# KiCad board ENV_KB_RGB.kicad_pcb (continued)
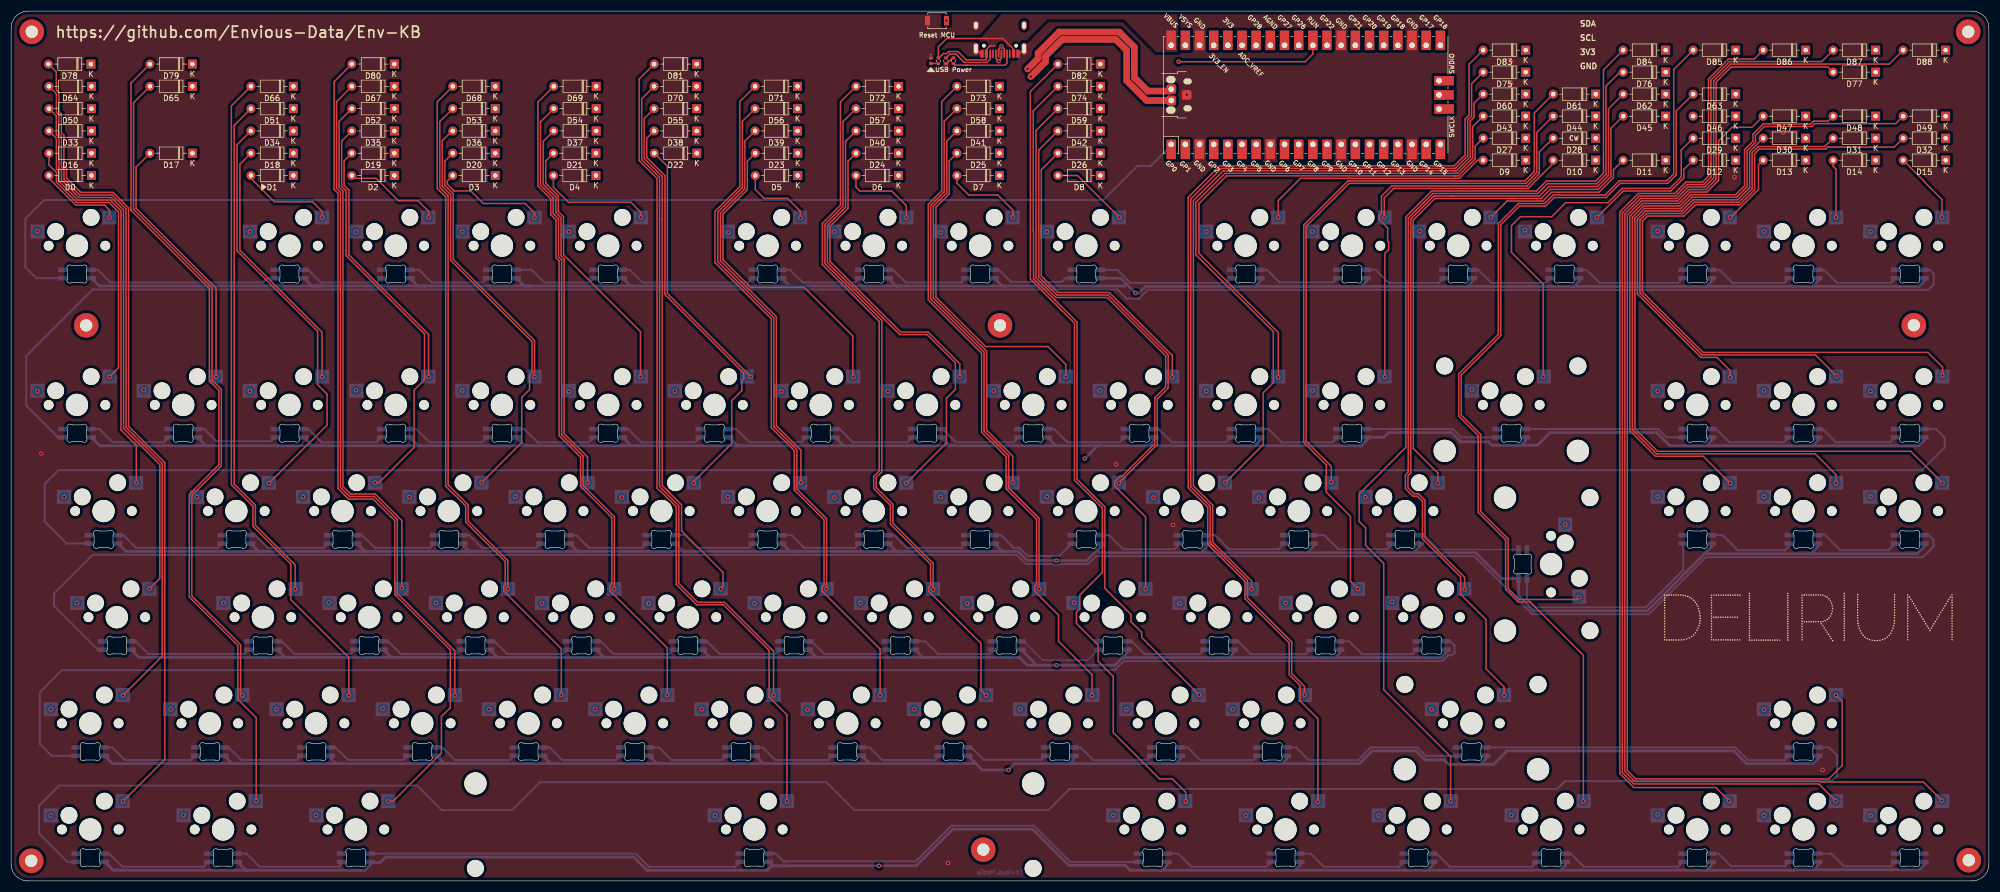
[diagram p0: board, top side]
## Nets
3.3V: RPI0.36
GND: LED1.3 LED2.3 LED3.3 LED4.3 LED5.3 LED6.3 LED7.3 LED8.3 LED9.3 LED10.3 LED11.3 LED12.3 LED13.3 LED14.3 LED15.3 LED16.3 LED17.3 LED18.3 LED19.3 LED20.3 LED21.3 LED22.3 LED23.3 LED24.3 LED25.3 LED26.3 LED27.3 LED28.3 LED29.3 LED30.3 LED31.3 LED32.3 LED33.3 LED34.3 LED35.3 LED36.3 LED37.3 LED38.3 LED39.3 LED40.3 LED41.3 LED42.3 LED43.3 LED44.3 LED45.3 LED46.3 LED47.3 LED48.3 LED49.3 LED50.3 LED51.3 LED52.3 LED53.3 LED54.3 LED55.3 LED56.3 LED57.3 LED58.3 LED59.3 LED60.3 LED61.3 LED62.3 LED63.3 LED64.3 LED65.3 LED66.3 LED67.3 LED68.3 LED69.3 LED70.3 LED71.3 LED72.3 LED73.3 LED74.3 LED75.3 LED76.3 LED77.3 LED78.3 LED79.3 LED80.3 LED81.3 LED82.3 LED83.3 LED84.3 LED85.3 LED86.3 LED87.3 LED88.3 PowerLED0.1 RESISTOR0.2 RESISTOR1.1 RPI0.3 RPI0.8 RPI0.13 RPI0.18 RPI0.23 RPI0.28 RPI0.38 RPI0.TP1 SW-RST0.2 USB1.1 USB1.12 USB1.13
col0: K_0.1 K_16.1 K_33.1 K_50.1 K_64.1 K_78.1 RPI0.4
col1: K_17.1 K_65.1 K_79.1 RPI0.5
col2: K_1.1 K_18.1 K_34.1 K_51.1 K_66.1 RPI0.6
col3: K_2.1 K_19.1 K_35.1 K_52.1 K_67.1 K_80.1 RPI0.7
col4: K_3.1 K_20.1 K_36.1 K_53.1 K_68.1 RPI0.9
col5: K_4.1 K_21.1 K_37.1 K_54.1 K_69.1 RPI0.10
col6: K_22.1 K_38.1 K_55.1 K_70.1 K_81.1 RPI0.11
col7: K_5.1 K_23.1 K_39.1 K_56.1 K_71.1 RPI0.12
col8: K_6.1 K_24.1 K_40.1 K_57.1 K_72.1 RPI0.14
col9: K_7.1 K_25.1 K_41.1 K_58.1 K_73.1 RPI0.15
col10: K_8.1 K_26.1 K_42.1 K_59.1 K_74.1 K_82.1 RPI0.16
col11: K_9.1 K_27.1 K_43.1 K_60.1 K_75.1 K_83.1 RPI0.17
col12: K_10.1 K_28.1 K_44.1 K_61.1 RPI0.19
col13: K_11.1 K_45.1 K_62.1 K_76.1 K_84.1 RPI0.20
col14: K_12.1 K_29.1 K_63.1 K_85.1 RPI0.25
col15: K_13.1 K_30.1 K_47.1 K_86.1 RPI0.24
col16: K_14.1 K_31.1 K_48.1 K_77.1 K_87.1 RPI0.22
col17: K_15.1 K_32.1 K_49.1 K_88.1 RPI0.21
LEDPIN: LED1.4 RPI0.1
Resetbtn: RPI0.30 SW-RST0.1
row0: D0.1 D1.1 D2.1 D3.1 D4.1 D5.1 D6.1 D7.1 D8.1 D9.1 D10.1 D11.1 D12.1 D13.1 D14.1 D15.1 RPI0.26
row2: D16.1 D17.1 D18.1 D19.1 D20.1 D21.1 D22.1 D23.1 D24.1 D25.1 D26.1 D27.1 D28.1 D29.1 D30.1 D31.1 D32.1 RPI0.27
row3: D33.1 D34.1 D35.1 D36.1 D37.1 D38.1 D39.1 D40.1 D41.1 D42.1 D43.1 D44.1 D45.1 D46.1 D47.1 D48.1 D49.1 RPI0.29
row4: D50.1 D51.1 D52.1 D53.1 D54.1 D55.1 D56.1 D57.1 D58.1 D59.1 D60.1 D61.1 D62.1 D63.1 RPI0.31
row5: D64.1 D65.1 D66.1 D67.1 D68.1 D69.1 D70.1 D71.1 D72.1 D73.1 D74.1 D75.1 D76.1 D77.1 RPI0.32
row6: D78.1 D79.1 D80.1 D81.1 D82.1 D83.1 D84.1 D85.1 D86.1 D87.1 D88.1 RPI0.34
USB2_N: RPI0.TP2 USB1.5 USB1.7
USB2_P: RPI0.TP3 USB1.6 USB1.8
USBVBUS: LED1.1 LED2.1 LED3.1 LED4.1 LED5.1 LED6.1 LED7.1 LED8.1 LED9.1 LED10.1 LED11.1 LED12.1 LED13.1 LED14.1 LED15.1 LED16.1 LED17.1 LED18.1 LED19.1 LED20.1 LED21.1 LED22.1 LED23.1 LED24.1 LED25.1 LED26.1 LED27.1 LED28.1 LED29.1 LED30.1 LED31.1 LED32.1 LED33.1 LED34.1 LED35.1 LED36.1 LED37.1 LED38.1 LED39.1 LED40.1 LED41.1 LED42.1 LED43.1 LED44.1 LED45.1 LED46.1 LED47.1 LED48.1 LED49.1 LED50.1 LED51.1 LED52.1 LED53.1 LED54.1 LED55.1 LED56.1 LED57.1 LED58.1 LED59.1 LED60.1 LED61.1 LED62.1 LED63.1 LED64.1 LED65.1 LED66.1 LED67.1 LED68.1 LED69.1 LED70.1 LED71.1 LED72.1 LED73.1 LED74.1 LED75.1 LED76.1 LED77.1 LED78.1 LED79.1 LED80.1 LED81.1 LED82.1 LED83.1 LED84.1 LED85.1 LED86.1 LED87.1 LED88.1 PowerLedResistor0.1 RPI0.40 USB1.2 USB1.11
Net-(D0-Pad2): D0.2 K_0.2
Net-(D1-Pad2): D1.2 K_1.2
Net-(D2-Pad2): D2.2 K_2.2
Net-(D3-Pad2): D3.2 K_3.2
Net-(D4-Pad2): D4.2 K_4.2
Net-(D5-Pad2): D5.2 K_5.2
Net-(D6-Pad2): D6.2 K_6.2
Net-(D7-Pad2): D7.2 K_7.2
Net-(D8-Pad2): D8.2 K_8.2
Net-(D9-Pad2): D9.2 K_9.2
Net-(D10-Pad2): D10.2 K_10.2
Net-(D11-Pad2): D11.2 K_11.2
Net-(D12-Pad2): D12.2 K_12.2
Net-(D13-Pad2): D13.2 K_13.2
Net-(D14-Pad2): D14.2 K_14.2
Net-(D15-Pad2): D15.2 K_15.2
Net-(D16-Pad2): D16.2 K_16.2
Net-(D17-Pad2): D17.2 K_17.2
Net-(D18-Pad2): D18.2 K_18.2
Net-(D19-Pad2): D19.2 K_19.2
Net-(D20-Pad2): D20.2 K_20.2
Net-(D21-Pad2): D21.2 K_21.2
Net-(D22-Pad2): D22.2 K_22.2
Net-(D23-Pad2): D23.2 K_23.2
Net-(D24-Pad2): D24.2 K_24.2
Net-(D25-Pad2): D25.2 K_25.2
Net-(D26-Pad2): D26.2 K_26.2
Net-(D27-Pad2): D27.2 K_27.2
Net-(D28-Pad2): D28.2 K_28.2
Net-(D29-Pad2): D29.2 K_29.2
Net-(D30-Pad2): D30.2 K_30.2
Net-(D31-Pad2): D31.2 K_31.2
Net-(D32-Pad2): D32.2 K_32.2
Net-(D33-Pad2): D33.2 K_33.2
Net-(D34-Pad2): D34.2 K_34.2
Net-(D35-Pad2): D35.2 K_35.2
Net-(D36-Pad2): D36.2 K_36.2
Net-(D37-Pad2): D37.2 K_37.2
Net-(D38-Pad2): D38.2 K_38.2
Net-(D39-Pad2): D39.2 K_39.2
Net-(D40-Pad2): D40.2 K_40.2
Net-(D41-Pad2): D41.2 K_41.2
Net-(D42-Pad2): D42.2 K_42.2
Net-(D43-Pad2): D43.2 K_43.2
Net-(D44-Pad2): D44.2 K_44.2
Net-(D45-Pad2): D45.2 K_45.2
Net-(D46-Pad2): D46.2
Net-(D47-Pad2): D47.2 K_47.2
Net-(D48-Pad2): D48.2 K_48.2
Net-(D49-Pad2): D49.2 K_49.2
Net-(D50-Pad2): D50.2 K_50.2
Net-(D51-Pad2): D51.2 K_51.2
Net-(D52-Pad2): D52.2 K_52.2
Net-(D53-Pad2): D53.2 K_53.2
Net-(D54-Pad2): D54.2 K_54.2
Net-(D55-Pad2): D55.2 K_55.2
Net-(D56-Pad2): D56.2 K_56.2
Net-(D57-Pad2): D57.2 K_57.2
Net-(D58-Pad2): D58.2 K_58.2
Net-(D59-Pad2): D59.2 K_59.2
Net-(D60-Pad2): D60.2 K_60.2
Net-(D61-Pad2): D61.2 K_61.2
Net-(D62-Pad2): D62.2 K_62.2
Net-(D63-Pad2): D63.2 K_63.2
Net-(D64-Pad2): D64.2 K_64.2
Net-(D65-Pad2): D65.2 K_65.2
Net-(D66-Pad2): D66.2 K_66.2
Net-(D67-Pad2): D67.2 K_67.2
Net-(D68-Pad2): D68.2 K_68.2
Net-(D69-Pad2): D69.2 K_69.2
Net-(D70-Pad2): D70.2 K_70.2
Net-(D71-Pad2): D71.2 K_71.2
Net-(D72-Pad2): D72.2 K_72.2
Net-(D73-Pad2): D73.2 K_73.2
Net-(D74-Pad2): D74.2 K_74.2
Net-(D75-Pad2): D75.2 K_75.2
Net-(D76-Pad2): D76.2 K_76.2
Net-(D77-Pad2): D77.2 K_77.2
Net-(D78-Pad2): D78.2 K_78.2
Net-(D79-Pad2): D79.2 K_79.2
Net-(D80-Pad2): D80.2 K_80.2
Net-(D81-Pad2): D81.2 K_81.2
Net-(D82-Pad2): D82.2 K_82.2
Net-(D83-Pad2): D83.2 K_83.2
Net-(D84-Pad2): D84.2 K_84.2
Net-(D85-Pad2): D85.2 K_85.2
Net-(D86-Pad2): D86.2 K_86.2
Net-(D87-Pad2): D87.2 K_87.2
Net-(D88-Pad2): D88.2 K_88.2
Net-(LED1-Pad2): LED1.2 LED2.4
Net-(LED2-Pad2): LED2.2 LED3.4
Net-(LED3-Pad2): LED3.2 LED4.4
Net-(LED4-Pad2): LED4.2 LED5.4
Net-(LED5-Pad2): LED5.2 LED6.4
Net-(LED6-Pad2): LED6.2 LED7.4
Net-(LED7-Pad2): LED7.2 LED8.4
Net-(LED8-Pad2): LED8.2 LED9.4
Net-(LED10-Pad2): LED10.2 LED11.4
Net-(LED10-Pad4): LED9.2 LED10.4
Net-(LED11-Pad2): LED11.2 LED12.4
Net-(LED12-Pad2): LED12.2 LED13.4
Net-(LED13-Pad2): LED13.2 LED14.4
Net-(LED14-Pad2): LED14.2 LED15.4
Net-(LED15-Pad2): LED15.2 LED16.4
Net-(LED16-Pad2): LED16.2 LED17.4
Net-(LED17-Pad2): LED17.2 LED18.4
Net-(LED18-Pad2): LED18.2 LED19.4
Net-(LED19-Pad2): LED19.2 LED20.4
Net-(LED20-Pad2): LED20.2 LED21.4
Net-(LED21-Pad2): LED21.2 LED22.4
Net-(LED22-Pad2): LED22.2 LED23.4
Net-(LED23-Pad2): LED23.2 LED24.4
Net-(LED24-Pad2): LED24.2 LED25.4
Net-(LED25-Pad2): LED25.2 LED26.4
Net-(LED26-Pad2): LED26.2 LED27.4
Net-(LED27-Pad2): LED27.2 LED28.4
Net-(LED28-Pad2): LED28.2 LED29.4
Net-(LED29-Pad2): LED29.2 LED30.4
Net-(LED30-Pad2): LED30.2 LED31.4
Net-(LED31-Pad2): LED31.2 LED32.4
Net-(LED32-Pad2): LED32.2 LED33.4
Net-(LED33-Pad2): LED33.2 LED34.4
Net-(LED34-Pad2): LED34.2 LED35.4
Net-(LED35-Pad2): LED35.2 LED36.4
Net-(LED36-Pad2): LED36.2 LED37.4
Net-(LED37-Pad2): LED37.2 LED38.4
Net-(LED38-Pad2): LED38.2 LED39.4
Net-(LED39-Pad2): LED39.2 LED40.4
Net-(LED40-Pad2): LED40.2 LED41.4
Net-(LED41-Pad2): LED41.2 LED42.4
Net-(LED42-Pad2): LED42.2 LED43.4
Net-(LED43-Pad2): LED43.2 LED44.4
Net-(LED44-Pad2): LED44.2 LED45.4
Net-(LED45-Pad2): LED45.2 LED46.4
Net-(LED46-Pad2): LED46.2 LED47.4
Net-(LED47-Pad2): LED47.2 LED48.4
Net-(LED48-Pad2): LED48.2 LED49.4
Net-(LED49-Pad2): LED49.2 LED50.4
Net-(LED50-Pad2): LED50.2 LED51.4
Net-(LED51-Pad2): LED51.2 LED52.4
Net-(LED52-Pad2): LED52.2 LED53.4
Net-(LED53-Pad2): LED53.2 LED54.4
Net-(LED54-Pad2): LED54.2 LED55.4
Net-(LED55-Pad2): LED55.2 LED56.4
Net-(LED56-Pad2): LED56.2 LED57.4
Net-(LED57-Pad2): LED57.2 LED58.4
Net-(LED58-Pad2): LED58.2 LED59.4
Net-(LED59-Pad2): LED59.2 LED60.4
Net-(LED60-Pad2): LED60.2 LED61.4
Net-(LED61-Pad2): LED61.2 LED62.4
Net-(LED62-Pad2): LED62.2 LED63.4
Net-(LED63-Pad2): LED63.2 LED64.4
Net-(LED64-Pad2): LED64.2 LED65.4
Net-(LED65-Pad2): LED65.2 LED66.4
Net-(LED66-Pad2): LED66.2 LED67.4
Net-(LED67-Pad2): LED67.2 LED68.4
Net-(LED68-Pad2): LED68.2 LED69.4
Net-(LED69-Pad2): LED69.2 LED70.4
Net-(LED70-Pad2): LED70.2 LED71.4
Net-(LED71-Pad2): LED71.2 LED72.4
Net-(LED72-Pad2): LED72.2 LED73.4
Net-(LED73-Pad2): LED73.2 LED74.4
Net-(LED74-Pad2): LED74.2 LED75.4
Net-(LED75-Pad2): LED75.2 LED76.4
Net-(LED76-Pad2): LED76.2 LED77.4
Net-(LED77-Pad2): LED77.2 LED78.4
Net-(LED78-Pad2): LED78.2 LED79.4
Net-(LED79-Pad2): LED79.2 LED80.4
Net-(LED80-Pad2): LED80.2 LED81.4
Net-(LED81-Pad2): LED81.2 LED82.4
Net-(LED82-Pad2): LED82.2 LED83.4
Net-(LED83-Pad2): LED83.2 LED84.4
Net-(LED84-Pad2): LED84.2 LED85.4
Net-(LED85-Pad2): LED85.2 LED86.4
Net-(LED86-Pad2): LED86.2 LED87.4
Net-(LED87-Pad2): LED87.2 LED88.4
Net-(LED88-Pad2): LED88.2
Net-(PowerLED0-Pad2): PowerLED0.2 PowerLedResistor0.2
Net-(RESISTOR0-Pad1): RESISTOR0.1 USB1.10
Net-(RESISTOR1-Pad2): RESISTOR1.2 USB1.4
Net-(RPI0-Pad2): RPI0.2
Net-(RPI0-Pad33): RPI0.33
Net-(RPI0-Pad35): RPI0.35
Net-(RPI0-Pad37): RPI0.37
Net-(RPI0-Pad39): RPI0.39
Net-(RPI0-Pad41): RPI0.41
Net-(RPI0-Pad42): RPI0.42
Net-(RPI0-Pad43): RPI0.43
Net-(USB1-Pad3): USB1.3
Net-(USB1-Pad9): USB1.9

Pads without a net: H0 1; H1 1; H3 1; H4 1; H6 1; H7 1; H9 1; H10 1

## Via types
v1: diameter 0.8, hole 0.4, Top to Bottom, 198 vias

## Routing (per net, layer and track width the routed paths; a pad name or vN(x,y) marks a point on that pad's centre or on a via; arc(x,y) is an arc through that point)
GND: length 7.2
  Top w0.25: 181.6,149.34 180.68,148.43 180.52,148.43 ; RPI0.TP1 v1(210.77,141.09) ; RPI0.23 251.18,152.43 ; 172.98,149.37 173.89,148.45 USB1.12 ; RESISTOR0.2 167.78,146.69 168.8,147.71 168.95,147.71
  vias: v1(5.4,76.7) v1(168,3.2) v1(198.14,74.78) v1(208.34,63.88) v1(268.9,147.05) v1(268.9,143.18) v1(309,126.3) v1(317.69,134.34) v1(324.8,19.9)
col0: length 327.2
  In2.Cu w0.25: v1(7.1,11.7) v1(7.1,30.8) 7.1,45.2 v1(11.8,49.9) 9.5,52.2 v1(9.5,68.9) 9.5,76.5 4.7,81.3 v1(4.7,87.9) v1(4.7,116.6) 13.24,125.14 208.57,125.14 RPI0.4
col1: length 298.6
  In2.Cu w0.25: RPI0.5 216.63,130.66 214.75,130.66 208.78,124.69 151.34,124.69 151.18,124.53 130.21,124.53 130.18,124.5 125.52,124.5 125.51,124.49 103.74,124.49 103.73,124.48 86.97,124.48 86.96,124.47 66.7,124.47 66.69,124.46 48.62,124.46 23.8,99.64 v1(23.8,88.1) 23.8,82.9 28.6,78.1 v1(28.6,30.8) 28.6,14.1 v1(30.9,11.8)
col2: length 280
  In2.Cu w0.25: RPI0.6 219.23,130.72 217.54,130.72 217.03,130.21 215,130.21 209.03,124.24 151.52,124.24 151.36,124.08 130.4,124.08 130.37,124.05 125.7,124.05 125.69,124.04 103.93,124.04 103.92,124.03 87.16,124.03 87.15,124.02 66.88,124.02 66.87,124.01 50.31,124.01 v1(42.8,116.5) v1(42.8,87.9) 42.8,78.4 v1(33.3,68.9) 33.3,54.7 v1(38.1,49.9) 38.1,42.6 47.6,33.1 v1(47.6,30.8)
col3: length 287.4
  In2.Cu w0.25: RPI0.7 221.76,130.72 220.08,130.72 219.57,130.21 218.05,130.21 217.54,129.7 215.25,129.7 209.35,123.79 151.71,123.79 151.55,123.63 130.58,123.63 130.55,123.6 125.89,123.6 125.88,123.59 104.12,123.59 104.11,123.58 87.34,123.58 87.33,123.57 68.97,123.57 v1(61.87,116.47) v1(61.87,88.06) 61.87,80.98 52.34,71.45 v1(52.34,68.94) 52.34,54.63 v1(57,49.97) 57,43.58 66.63,33.95 v1(66.63,30.93) 66.63,30.83 54.7,18.9 v1(54.7,11.8)
col4: length 249.5
  In2.Cu w0.25: v1(85.7,30.8) 85.7,32.9 76.2,42.4 v1(76.2,49.9) 71.4,54.7 v1(71.4,68.9) 71.4,75.5 80.9,85 v1(80.9,88) v1(80.9,116.5) 87.53,123.13 104.29,123.13 104.3,123.14 126.07,123.14 126.08,123.15 130.74,123.15 130.77,123.18 151.73,123.18 151.89,123.34 209.66,123.34 215.51,129.19 217.8,129.19 218.3,129.7 219.83,129.7 220.33,130.21 222.11,130.21 222.62,130.72 226.84,130.72 RPI0.9
col5: length 233
  In2.Cu w0.25: RPI0.10 229.38,130.72 227.7,130.72 227.19,130.21 222.88,130.21 222.37,129.7 220.59,129.7 220.08,129.19 218.56,129.19 218.05,128.68 215.76,128.68 209.97,122.89 152.08,122.89 151.92,122.73 130.96,122.73 130.93,122.7 126.26,122.7 126.25,122.69 106.19,122.69 v1(100,116.5) v1(100,87.8) 100,84.9 90.4,75.3 v1(90.4,69) 90.4,54.6 v1(95.2,49.8) 95.2,44.3 104.7,34.8 v1(104.7,30.8)
col6: length 232.8
  In2.Cu w0.25: v1(126.2,11.7) 123.8,14.1 v1(123.8,30.8) 123.8,33.2 114.3,42.7 v1(114.3,49.8) 114.3,52.9 109.5,57.7 v1(109.5,68.8) 109.5,73.2 119,82.7 v1(119,87.9) 119,110.14 131.14,122.28 152.11,122.28 152.27,122.44 210.28,122.44 216.02,128.18 218.3,128.18 218.81,128.68 220.33,128.68 220.84,129.19 222.62,129.19 223.13,129.7 227.45,129.7 227.95,130.21 229.73,130.21 230.24,130.72 231.93,130.72 RPI0.11
col7: length 215
  In2.Cu w0.25: v1(142.8,30.7) 142.8,33.4 135.4,40.8 135.4,44.6 133.3,46.7 v1(133.3,49.8) 133.3,53.7 128.5,58.5 v1(128.5,68.9) 128.5,73 138.1,82.6 v1(138.1,87.8) 138.1,97.4 128.6,106.9 v1(128.6,116.4) 128.6,119.1 131.33,121.83 152.29,121.83 152.45,121.99 210.59,121.99 216.27,127.67 218.56,127.67 219.06,128.18 220.59,128.18 221.1,128.68 222.88,128.68 223.38,129.19 227.7,129.19 228.21,129.7 229.99,129.7 230.5,130.21 232.27,130.21 232.78,130.72 234.46,130.72 RPI0.12
col8: length 199.5
  In2.Cu w0.25: v1(161.9,30.8) 161.9,32.6 152.3,42.2 v1(152.3,49.9) 152.3,56.4 147.6,61.1 v1(147.6,68.8) 147.6,69.6 157.2,79.2 v1(157.2,87.9) 157.2,98.8 147.6,108.4 v1(147.6,116.5) 152.64,121.54 210.91,121.54 216.52,127.16 218.81,127.16 219.32,127.67 220.84,127.67 221.35,128.18 223.13,128.18 223.64,128.68 227.95,128.68 228.46,129.19 230.24,129.19 230.75,129.7 232.53,129.7 233.03,130.21 234.81,130.21 235.32,130.72 239.55,130.72 RPI0.14
col9: length 182.9
  In2.Cu w0.25: v1(180.94,30.82) 180.94,35.91 171.42,45.43 v1(171.42,49.8) 171.42,54.83 166.64,59.61 v1(166.64,68.93) 166.64,71.74 176.17,81.27 v1(176.17,87.95) 173.3,90.82 173.3,105.66 166.64,112.32 v1(166.64,116.4) 166.64,116.53 171.2,121.09 211.22,121.09 216.78,126.65 219.06,126.65 219.57,127.16 221.1,127.16 221.6,127.67 223.38,127.67 223.89,128.18 228.21,128.18 228.72,128.68 230.5,128.68 231,129.19 232.78,129.19 233.29,129.7 235.07,129.7 235.57,130.21 239.89,130.21 240.4,130.72 242.08,130.72 RPI0.15
col10: length 191.3
  In2.Cu w0.25: RPI0.16 244.62,130.72 242.94,130.72 242.43,130.21 240.65,130.21 240.15,129.7 235.83,129.7 235.32,129.19 233.54,129.19 233.03,128.68 231.26,128.68 230.75,128.18 228.97,128.18 228.46,127.67 224.14,127.67 223.64,127.16 221.86,127.16 221.35,126.65 219.83,126.65 219.32,126.14 217.03,126.14 207.69,116.8 193.53,116.8 190.88,119.45 187.19,119.45 185.69,117.95 v1(185.69,116.48) 185.69,108.88 194.61,99.96 194.61,88.57 v1(195.18,88) 195.18,75.35 192.04,72.21 188.97,72.21 v1(185.71,68.95) 185.68,68.92 185.68,65.24 190.61,60.31 190.6,60.01 v1(190.6,49.94) 190.6,45.51 194.77,41.33 194.77,40.02 199.99,34.8 v1(199.99,30.81) 197.61,28.43 v1(197.61,11.76)
col11: length 158.7
  In2.Cu w0.25: RPI0.17 247.16,130.72 245.48,130.72 244.97,130.21 243.19,130.21 242.69,129.7 240.91,129.7 240.4,129.19 236.08,129.19 235.57,128.68 233.8,128.68 233.29,128.18 231.51,128.18 231,127.67 229.22,127.67 228.72,127.16 224.4,127.16 223.89,126.65 222.11,126.65 221.6,126.14 220.08,126.14 217.54,123.6 217.5,123.6 214.3,120.4 v1(214.3,116.5) v1(214.3,87.9) 214.3,80.2 204.8,70.7 v1(204.8,68.8) 204.8,61.6 209.5,56.9 v1(209.5,49.8) 209.5,43.3 219,33.8 v1(219,30.8) 219,14.1 v1(221.4,11.7)
col12: length 101.3
  In2.Cu w0.25: v1(228.5,49.9) 228.5,55.5 223.7,60.3 v1(223.7,68.8) 223.7,71.1 233.3,80.7 v1(233.3,88) v1(233.3,116.5) 244.33,127.53 252.1,127.53 253.71,129.14 RPI0.19
col13: length 135.2
  In2.Cu w0.25: RPI0.20 255.71,132.19 254.3,130.76 254.3,129.06 252.65,127.41 252.65,116.75 v1(252.55,116.65) 249.1,113.2 249.1,76.4 242.8,70.1 v1(242.8,68.9) 242.8,57.5 247.6,52.7 v1(247.6,50.1) 247.6,42 254.7,34.9 v1(254.7,30.8) 254.7,29.9 245.2,20.4 v1(245.2,11.7)
col14: length 179.6
  In2.Cu w0.25: RPI0.25 247.56,148.5 249.29,148.5 249.8,147.99 254.12,147.99 254.62,147.48 256.4,147.48 257.67,146.21 257.67,127.67 263.33,122.02 269.48,122.02 271.4,120.1 v1(271.4,116.8) 271.4,102.4 261.9,92.9 v1(261.9,88.2) 261.9,81.2 266.7,76.4 271.1,76.4 278.6,68.9 278.6,64.03 v1(278.66,63.96) 279.86,62.76 281.14,62.76 284.2,59.7 284.2,50.1 277.9,43.8 277.9,30.9 269,22 v1(269,11.8)
col15: length 178.2
  In2.Cu w0.25: RPI0.24 250.1,148.5 254.37,148.5 254.88,147.99 256.66,147.99 258.18,146.46 258.18,127.8 263.51,122.47 292.83,122.47 295.2,120.1 v1(295.2,116.6) v1(295.2,87.9) v1(295.2,69) v1(295.2,11.9) 295.2,11.8
col16: length 190.3
  In2.Cu w0.25: v1(314.3,11.7) v1(314.3,30.7) v1(314.3,69) v1(314.3,88) v1(314.3,116.5) 307.88,122.92 263.7,122.92 258.69,127.92 258.69,146.72 256.91,148.5 255.19,148.5 RPI0.22
col17: length 209.1
  In2.Cu w0.25: RPI0.21 259.2,147.02 259.2,128.05 263.89,123.37 287.42,123.37 287.43,123.38 330.22,123.38 333.4,120.2 v1(333.4,116.5) v1(333.4,87.9) v1(333.4,69) v1(333.4,11.7)
LEDPIN: length 227.2
  Bottom w0.35: LED1.4 4.53,108.17 2.55,110.15 2.55,118.85 5.9,122.2 195.8,122.2 201.9,128.3 204.3,128.3 208,132 RPI0.1
Resetbtn: length 71
  Top w0.25: 209.23,147.02 v1(209.32,147.02) 232.02,147.02 233.39,148.39 RPI0.30
  In2.Cu w0.25: v1(209.32,147.02) 207.86,147.02 202.56,152.32 172.17,152.32 170.09,154.4 v1(167.7,154.4)
row0: length 379.8
  In2.Cu w0.25: 346.85,129.38 341.1,129.38 339.75,130.72 338.7,130.72 337.35,129.38 328.55,129.38 327.2,130.72 326.15,130.72 324.8,129.38 321.75,129.38 ; D13.1 316,129.35 314.65,130.7 313.6,130.7 312.25,129.35 D12.1 303.45,129.35 302.1,130.7 301.05,130.7 299.7,129.35 D11.1 290.9,129.35 289.55,130.7 288.5,130.7 287.15,129.35 D10.1 278.35,129.35 277,130.7 275.95,130.7 274.6,129.35 D9.1 268.02,129.35 265.6,131.77 262.77,131.77 259.7,134.84 259.7,147.22 257.67,149.26 257.67,150.53 256.91,151.29 244.88,151.29 RPI0.26 242.08,148.5 240.4,148.5 239.89,147.99 235.57,147.99 235.07,147.48 230.75,147.48 230.24,146.97 228.46,146.97 227.95,146.46 223.64,146.46 223.13,145.95 221.6,145.95 218.05,142.4 218.05,138.84 212.97,133.76 204.81,133.76 197.65,126.6 D8.1 189.55,126.6 188.2,127.95 187.15,127.95 185.8,126.6 D7.1 171.45,126.6 170.1,127.95 169.05,127.95 167.7,126.6 D6.1 153.35,126.6 152,127.95 150.95,127.95 149.6,126.6 141,126.6 ; D0.1 23,126.6 24.35,127.95 25.4,127.95 26.75,126.6 41.1,126.6 42.45,127.95 43.5,127.95 44.85,126.6 D1.1 59.2,126.6 60.55,127.95 61.6,127.95 62.95,126.6 D2.1 77.3,126.6 78.65,127.95 79.7,127.95 81.05,126.6 D3.1 ; 141.05,126.6 135.3,126.6 133.95,127.95 132.9,127.95 131.55,126.6 117.2,126.6 115.85,127.95 114.8,127.95 113.45,126.6 D4.1 99.1,126.6 97.75,127.95 96.7,127.95 95.35,126.6 86.75,126.6
row2: length 374.1
  In2.Cu w0.25: 346.85,133.32 341.1,133.32 339.75,134.68 338.7,134.68 337.35,133.32 328.55,133.32 327.2,134.68 326.15,134.68 324.8,133.32 321.75,133.32 ; D30.1 316,133.3 314.65,134.65 313.6,134.65 312.25,133.3 D29.1 303.45,133.3 302.1,134.65 301.05,134.65 299.7,133.3 D28.1 278.35,133.3 277,134.65 275.95,134.65 274.6,133.3 D27.1 268.02,133.3 265.52,135.8 262.65,135.8 260.21,138.24 260.21,147.48 258.18,149.51 258.18,150.91 257.29,151.8 244.72,151.8 244.21,151.29 242.34,151.29 RPI0.27 239.55,148.5 235.32,148.5 234.81,147.99 230.5,147.99 229.99,147.48 228.21,147.48 227.7,146.97 223.38,146.97 222.88,146.46 221.35,146.46 217.54,142.65 217.54,139.1 212.71,134.27 211.43,134.27 211.43,134.27 200.52,134.27 196.85,130.6 D26.1 189.55,130.6 188.2,131.95 187.15,131.95 185.8,130.6 D25.1 171.45,130.6 170.1,131.95 169.05,131.95 167.7,130.6 D24.1 153.35,130.6 152,131.95 150.95,131.95 149.6,130.6 141,130.6 ; 86.75,130.6 95.35,130.6 96.7,131.95 97.75,131.95 99.1,130.6 D21.1 113.45,130.6 114.8,131.95 115.85,131.95 117.2,130.6 131.55,130.6 132.9,131.95 133.95,131.95 135.3,130.6 141.05,130.6 ; D16.1 23,130.6 24.35,131.95 25.4,131.95 26.75,130.6 D17.1 41.1,130.6 42.45,131.95 43.5,131.95 44.85,130.6 D18.1 59.2,130.6 60.55,131.95 61.6,131.95 62.95,130.6 D19.1 77.3,130.6 78.65,131.95 79.7,131.95 81.05,130.6 D20.1
row3: length 370.7
  In2.Cu w0.25: D49.1 341.1,137.25 339.75,138.6 338.7,138.6 337.35,137.25 D48.1 328.55,137.25 327.2,138.6 326.15,138.6 324.8,137.25 D47.1 ; 321.75,137.22 316,137.22 314.65,138.57 313.6,138.57 312.25,137.22 303.45,137.22 302.1,138.57 301.05,138.57 299.7,137.22 290.9,137.22 289.55,138.57 288.5,138.57 287.15,137.22 278.35,137.22 277,138.57 275.95,138.57 274.6,137.22 271.55,137.22 ; 141.05,134.6 149.65,134.6 151,135.95 152.05,135.95 153.4,134.6 167.75,134.6 169.1,135.95 170.15,135.95 171.5,134.6 185.85,134.6 187.2,135.95 188.25,135.95 189.6,134.6 195.35,134.6 ; 195.98,135.28 D42.1 ; 141.1,134.6 135.35,134.6 134,135.95 132.95,135.95 131.6,134.6 117.25,134.6 115.9,135.95 114.85,135.95 113.5,134.6 D37.1 99.15,134.6 97.8,135.95 96.75,135.95 95.4,134.6 D36.1 ; 14.45,134.6 23.05,134.6 24.4,135.95 25.45,135.95 26.8,134.6 41.15,134.6 42.5,135.95 43.55,135.95 44.9,134.6 59.25,134.6 60.6,135.95 61.65,135.95 63,134.6 77.35,134.6 78.7,135.95 79.75,135.95 81.1,134.6 86.85,134.6 ; D43.1 267.85,137.25 265.52,139.57 262.93,139.57 260.72,141.78 260.72,147.73 258.69,149.76 258.69,151.29 257.67,152.31 244.46,152.31 243.96,151.8 241.93,151.8 241.42,151.29 237.26,151.29 RPI0.29 234.46,148.5 230.24,148.5 229.73,147.99 227.95,147.99 227.45,147.48 223.13,147.48 222.62,146.97 221.1,146.97 217.03,142.91 217.03,139.35 212.46,134.78 195.98,134.78
row4: length 327.2
  In2.Cu w0.25: D63.1 303.45,141.2 302.1,142.55 301.05,142.55 299.7,141.2 D62.1 290.9,141.2 289.55,142.55 288.5,142.55 287.15,141.2 D61.1 278.35,141.2 277,142.55 275.95,142.55 274.6,141.2 D60.1 267.72,141.2 265.4,143.52 263.4,143.52 261.23,145.7 261.23,147.99 259.2,150.02 259.2,151.54 257.93,152.81 244.21,152.81 243.7,152.31 241.67,152.31 241.16,151.8 236.84,151.8 236.34,151.29 232.18,151.29 RPI0.31 229.38,148.5 227.7,148.5 227.19,147.99 222.88,147.99 222.37,147.48 220.84,147.48 216.52,143.16 216.52,139.6 212.21,135.29 201.46,135.29 198.15,138.6 D59.1 189.55,138.6 188.2,139.95 187.15,139.95 185.8,138.6 D58.1 171.45,138.6 170.1,139.95 169.05,139.95 167.7,138.6 D57.1 153.35,138.6 152,139.95 150.95,139.95 149.6,138.6 D56.1 ; 86.75,138.6 95.35,138.6 96.7,139.95 97.75,139.95 99.1,138.6 113.45,138.6 114.8,139.95 115.85,139.95 117.2,138.6 131.55,138.6 132.9,139.95 133.95,139.95 135.3,138.6 141.05,138.6 ; D53.1 81.05,138.6 79.7,139.95 78.65,139.95 77.3,138.6 D52.1 62.95,138.6 61.6,139.95 60.55,139.95 59.2,138.6 D51.1 44.85,138.6 43.5,139.95 42.45,139.95 41.1,138.6 26.75,138.6 25.4,139.95 24.35,139.95 23,138.6 D50.1
row5: length 352.5
  In2.Cu w0.25: D64.1 23,142.6 24.35,143.95 25.4,143.95 26.75,142.6 D65.1 41.1,142.6 42.45,143.95 43.5,143.95 44.85,142.6 D66.1 59.2,142.6 60.55,143.95 61.6,143.95 62.95,142.6 D67.1 77.3,142.6 78.65,143.95 79.7,143.95 81.05,142.6 D68.1 ; 86.75,142.6 95.35,142.6 96.7,143.95 97.75,143.95 99.1,142.6 113.45,142.6 114.8,143.95 115.85,143.95 117.2,142.6 131.55,142.6 132.9,143.95 133.95,143.95 135.3,142.6 141.05,142.6 ; D71.1 149.6,142.6 150.95,143.95 152,143.95 153.35,142.6 D72.1 167.7,142.6 169.05,143.95 170.1,143.95 171.45,142.6 D73.1 177.81,142.6 178.43,141.98 185.18,141.98 187.15,143.95 188.2,143.95 189.55,142.6 D74.1 196.45,141.45 196.45,140.95 201.61,135.8 211.95,135.8 216.02,139.86 216.02,143.41 220.59,147.99 222.11,147.99 222.62,148.5 226.84,148.5 RPI0.32 229.64,151.29 231.26,151.29 231.76,151.8 236.08,151.8 236.59,152.31 240.91,152.31 241.42,152.81 243.45,152.81 243.96,153.32 258.18,153.32 259.7,151.8 259.7,150.27 261.68,148.3 261.68,147 261.85,146.82 266.12,146.82 267.77,145.18 271.52,145.18 D75.1 275.24,145.15 276.46,143.93 281.51,143.93 282.73,145.15 287.18,145.15 288.52,146.5 289.57,146.5 290.93,145.15 296.68,145.15 ; 334.32,145.1 328.57,145.1 327.22,146.45 326.18,146.45 324.82,145.1 296.7,145.1 D76.1
row6: length 369.2
  In2.Cu w0.25: 14.4,146.6 23,146.6 24.35,147.95 25.4,147.95 26.75,146.6 D79.1 59.2,146.6 60.55,147.95 61.6,147.95 62.95,146.6 D80.1 113.4,146.6 114.75,147.95 115.8,147.95 117.15,146.6 D81.1 174.12,146.6 176.57,144.15 177.92,144.15 178.55,143.52 178.55,142.84 178.9,142.49 185.05,142.49 186.96,144.4 188.39,144.4 189.74,143.05 193.29,143.05 195.3,145.06 D82.1 196.9,145 196.9,141.8 ; 196.9,141.64 196.9,141.8 ; 196.9,141.8 196.9,141.14 201.74,136.3 206.6,136.3 206.6,136.3 211.7,136.3 215.51,140.11 215.51,143.67 220.33,148.5 221.76,148.5 RPI0.34 224.56,151.29 228.72,151.29 229.22,151.8 231,151.8 231.51,152.31 235.83,152.31 236.34,152.81 240.65,152.81 241.16,153.32 243.19,153.32 243.7,153.83 258.44,153.83 261.56,150.7 269.95,150.7 D83.1 271.93,149.1 276.64,144.38 281.33,144.38 286.05,149.1 287.18,149.1 288.52,150.45 289.57,150.45 290.93,149.1 299.72,149.1 301.07,150.45 302.12,150.45 303.47,149.1 312.27,149.1 313.62,150.45 314.68,150.45 316.02,149.1 324.82,149.1 326.18,150.45 327.22,150.45 328.57,149.1 334.32,149.1 ; D88.1 341.1,149.1 339.75,150.45 338.7,150.45 337.35,149.1 D87.1
USB2_N: length 46.3
  Top w0.25: 177.02,148.43 USB1.7 177.05,149.28 v1(177.55,149.78) 178.05,149.28 USB1.5
  Top w1.194: v1(182.26,145.73) 184.13,147.6 184.13,148.58 187.9,152.35 198.67,152.35 201.39,149.63 201.39,144.18 203.81,141.76 207.67,141.76 RPI0.TP2
  In2.Cu w0.25: v1(177.55,149.78) 181.61,145.73 v1(182.26,145.73)
USB2_P: length 46.3
  Top w0.25: USB1.6 177.55,147.63 v1(177.05,147.13) 176.55,147.63 USB1.8
  Top w1.194: RPI0.TP3 203.57,140.06 200.01,143.62 200.01,149.07 198.05,151.03 188.48,151.03 185.48,148.03 185.48,147.01 v1(182.82,144.35)
  In2.Cu w0.25: v1(182.82,144.35) 181.04,144.35 178.27,147.13 v1(177.05,147.13)
USBVBUS: length 2293.8
  Top w0.25: 174.71,151.19 177.81,151.19 179.75,149.25 179.75,148.45 ; 174.71,151.19 167.73,151.19 166.25,149.71 166.25,147.71 166.36,147.71 167.15,148.5 167.75,148.5 168.1,148.85 169.75,148.85 171.25,147.35 174.75,147.35 174.85,147.45 USB1.11 174.85,149.22 175.48,149.85 176.35,149.85 ; 174.71,151.19 174.99,151.19
  In1.Cu w1: RPI0.40 206.46,149.97 202,145.5 202,105.9 v1(201.6,105.5) 193.8,97.7 193.8,77.1 v1(192.5,75.8) 188.69,75.8 183.4,70.51 183.4,61.5 v1(187.4,57.5) 188.89,56.01 188.89,40.19 v1(187.4,38.7) 184.42,38.7 178.8,33.08 v1(178.8,19.9) 161.6,2.7 v1(155.6,2.7)
  Bottom w0.5: LED64.1 18.17,21.05 41.35,21.05 ; 208.77,21.05 227.15,21.05 ; 208.77,21.05 189.74,21.05 ; 208.77,21.05 209.66,21.94 LED74.1 ; 227.15,21.05 227.84,21.05 228.71,21.92 LED75.1 ; 227.15,21.05 241.75,21.05 244.02,23.32 251.9,23.32 253.52,21.7 257,21.7 257.8,20.9 262.8,20.9 ; 303.94,1.9 319.6,1.9 319.7,2 ; 303.94,1.9 277.74,1.9 ; 303.94,1.9 304.91,2.87 LED86.1 ; 42.8,1.9 63.41,1.9 64.41,2.9 LED80.1 ; 42.8,1.9 42.09,1.9 LED79.1 ; 42.8,1.9 18.28,1.9 LED78.1 ; LED84.1 254.91,2.87 253.93,1.9 253.4,1.9 ; 63.95,59.15 63.42,59.15 LED36.1 ; 63.95,59.15 44.75,59.15 ; 63.95,59.15 82.55,59.15 ; 138.8,2.7 136.4,2.7 135.6,1.9 114,1.9 111.63,4.27 67.17,4.27 66.2,3.3 64.4,3.3 ; 138.8,2.7 v1(155.6,2.7) 162.28,2.7 168.86,9.27 183.14,9.27 189.65,2.77 199.73,2.77 200.6,1.9 206.31,1.9 ; 138.8,2.7 136.54,2.7 LED81.1 ; 217.57,40.07 218.28,40.07 219.19,40.97 LED61.1 ; 217.57,40.07 199.23,40.07 ; 217.57,40.07 237.35,40.07 ; LED66.1 57.26,22.04 58.25,21.05 59.35,21.05 ; 253.4,1.9 277.74,1.9 ; 253.4,1.9 230.12,1.9 ; 277.74,1.9 278.72,2.87 LED85.1 ; 251.38,58.9 262.6,58.9 267.25,54.25 LED47.1 270.27,51.23 273.03,48.47 293.36,48.47 303.59,58.71 ; 251.38,58.9 232.35,58.9 ; 251.38,58.9 252.52,60.04 LED46.1 ; LED88.1 343.01,2.87 342.14,2 323.09,2 ; 140.85,59.15 139.62,59.15 LED40.1 ; 140.85,59.15 120.55,59.15 ; 140.85,59.15 159.45,59.15 ; 140.33,106.77 111.53,106.77 ; 140.33,106.77 139.62,106.77 LED6.1 ; 140.33,106.77 159.47,106.77 ; 111.53,106.77 93.13,106.77 ; 111.53,106.77 111.05,106.77 LED5.1 ; 120.55,59.15 101.95,59.15 ; 120.55,59.15 119.2,60.5 ; 101.95,59.15 101.52,59.15 LED38.1 ; 101.95,59.15 82.55,59.15 ; 74.27,106.77 72.95,106.77 LED3.1 ; 74.27,106.77 55.93,106.77 ; 74.27,106.77 93.13,106.77 ; 73.4,78.1 54,78.1 ; 73.4,78.1 92.6,78.1 ; 73.4,78.1 73,78.1 71.55,79.55 LED20.1 ; 54,78.1 35.4,78.1 ; 54,78.1 LED19.1 ; 55.93,106.77 15.8,106.77 LED1.1 ; 55.93,106.77 53.9,106.77 LED2.1 ; 153.9,21.05 LED71.1 ; 153.9,21.05 172.95,21.05 ; 153.9,21.05 135.75,21.05 ; 93.13,106.77 92,106.77 LED4.1 ; 269.89,78.19 273.69,78.19 275.97,80.47 295.03,80.47 297.4,78.1 303.94,78.1 ; 269.89,78.19 270.67,78.19 271.57,79.09 LED30.1 ; 269.89,78.19 265.51,78.19 264.89,78.81 259.91,78.81 258.25,80.47 246.97,80.47 246.11,79.61 243.54,79.61 242.03,78.1 ; LED69.1 115.8,21.05 116.95,21.05 ; 87.23,40.1 LED54.1 ; 87.23,40.1 107.2,40.1 ; 87.23,40.1 68.8,40.1 ; 92.6,78.1 92.09,78.1 LED21.1 ; 92.6,78.1 111.4,78.1 ; LED76.1 264.43,21.93 263.4,20.9 262.8,20.9 ; 35.4,78.1 34.95,78.1 LED18.1 ; 35.4,78.1 15.9,78.1 LED17.1 ; LED12.1 262.05,107.65 261.1,106.7 260.6,106.7 ; 172.95,21.05 LED72.1 ; 172.95,21.05 174.11,19.9 v1(178.8,19.9) 179.95,21.05 189.74,21.05 ; 223,106.7 242.03,106.7 ; 223,106.7 223.95,107.65 LED10.1 ; 223,106.7 203.4,106.7 202.2,105.5 v1(201.6,105.5) 200,107.1 ; 242.03,106.7 260.6,106.7 ; 242.03,106.7 243,107.67 LED11.1 ; 323.09,2 319.7,2 ; 323.09,2 323.96,2.87 LED87.1 ; 213.3,58.9 214.43,60.02 LED44.1 ; 213.3,58.9 232.35,58.9 ; 213.3,58.9 195.2,58.9 194.73,59.37 ; 189.74,21.05 190.4,21.71 190.4,22.23 LED73.1 ; 322.6,78.1 342.04,78.1 343.01,79.07 LED33.1 ; 322.6,78.1 322.99,78.1 323.96,79.07 LED32.1 ; 322.6,78.1 303.94,78.1 ; LED49.1 323.96,60.02 322.64,58.71 ; 262.8,20.9 265.8,20.9 268.22,23.32 308.9,23.32 311.16,21.05 323.09,21.05 323.96,21.92 LED77.1 ; 44.75,59.15 20.56,59.15 LED34.1 ; 44.75,59.15 44.37,59.15 LED35.1 ; LED58.1 163.43,40.1 164.6,40.1 ; LED62.1 238.24,40.96 237.35,40.07 ; 230.12,1.9 231.09,2.87 LED83.1 ; 230.12,1.9 206.31,1.9 ; LED26.1 187.35,78.1 187.8,78.1 ; 111.4,78.1 111.14,78.1 LED22.1 ; 111.4,78.1 130.6,78.1 ; 178.33,106.77 177.72,106.77 LED8.1 ; 178.33,106.77 199.67,106.77 200,107.1 ; 178.33,106.77 159.47,106.77 ; LED16.1 343,108.16 343,107.63 342.07,106.7 321.8,106.7 ; 178.25,59.15 159.45,59.15 ; 178.25,59.15 177.72,59.15 LED42.1 ; 178.25,59.15 180.55,59.15 182.2,57.5 v1(187.4,57.5) 192.86,57.5 194.73,59.37 ; 159.45,59.15 158.67,59.15 LED41.1 ; 41.35,21.05 39.65,21.05 39.6,21.1 39.56,21.1 LED65.1 ; 41.35,21.05 59.35,21.05 ; 279.8,106.7 303.96,106.7 ; 279.8,106.7 280.15,106.7 281.1,107.65 281.1,108.17 ; 279.8,106.7 260.6,106.7 ; 303.96,106.7 321.8,106.7 ; 303.96,106.7 304.91,107.65 LED14.1 ; LED25.1 168.3,78.1 169.2,78.1 ; 199.23,40.07 197.86,38.7 v1(187.4,38.7) 184.2,38.7 ; 199.23,40.07 200.14,40.97 LED60.1 ; 303.59,58.71 322.64,58.71 ; 303.59,58.71 304.91,60.02 LED48.1 ; 322.64,58.71 341.69,58.71 343.01,60.02 LED50.1 ; 164.6,40.1 180.8,40.1 182.2,38.7 184.2,38.7 ; 164.6,40.1 144.8,40.1 ; LED82.1 207.28,2.87 206.31,1.9 ; 321.8,106.7 323.01,106.7 323.96,107.65 LED15.1 ; LED29.1 243,79.07 242.03,78.1 ; 187.8,78.1 169.2,78.1 ; 187.8,78.1 195.4,78.1 ; 169.2,78.1 149.6,78.1 ; v1(192.5,75.8) 194.8,78.1 195.4,78.1 ; 147.75,79.59 149.25,78.1 149.6,78.1 ; 130.6,78.1 130.19,78.1 LED23.1 ; 130.6,78.1 149.6,78.1 ; 144.8,40.1 144.38,40.1 LED57.1 ; 144.8,40.1 125.8,40.1 ; 135.75,21.05 134.85,21.05 LED70.1 ; 135.75,21.05 116.95,21.05 ; 222.98,78.1 242.03,78.1 ; 222.98,78.1 223.95,79.07 LED28.1 ; 222.98,78.1 203.4,78.1 ; 116.95,21.05 97.45,21.05 ; 97.45,21.05 78.85,21.05 ; 97.45,21.05 96.75,21.05 LED68.1 ; 195.4,78.1 203.4,78.1 ; 232.35,58.9 233.47,60.02 LED45.1 ; 68.8,40.1 50.8,40.1 ; 68.8,40.1 68.2,40.1 68,40.3 67.98,40.3 LED53.1 ; 50.8,40.1 49.13,40.1 LED52.1 ; 50.8,40.1 22.94,40.1 LED51.1 ; 184.2,38.7 183.88,38.7 LED59.1 ; 82.55,59.15 82.15,59.15 81.08,60.22 LED37.1 ; 78.85,21.05 59.35,21.05 ; 78.85,21.05 77.7,21.05 LED67.1 ; 303.94,78.1 304.91,79.07 LED31.1 ; 200,107.1 198.93,108.17 LED9.1 ; 194.73,59.37 195.38,60.01 LED43.1 ; 159.47,106.77 158.67,106.77 LED7.1 ; 125.8,40.1 107.2,40.1 ; 125.8,40.1 125.33,40.1 LED56.1 ; 107.2,40.1 106.28,40.1 LED55.1 ; LED63.1 257.29,40.97 256.38,40.07 237.35,40.07 ; 203.4,78.1 203.93,78.1 204.9,79.07 LED27.1 ; 319.7,2 320.03,2
